# Altium PCB 通用工装板.PcbDoc (part 6 of 10)
Units mil, origin at the board's own origin, x right, y up, seen from the top; angles counter-clockwise.
Board outline 5905.51 x 3937.01 mil, 4 copper layers (L1, L2, L3, L4), stack 30.634 mil thick; 601 components, 576 nets, 2543 pads, 2986 vias.
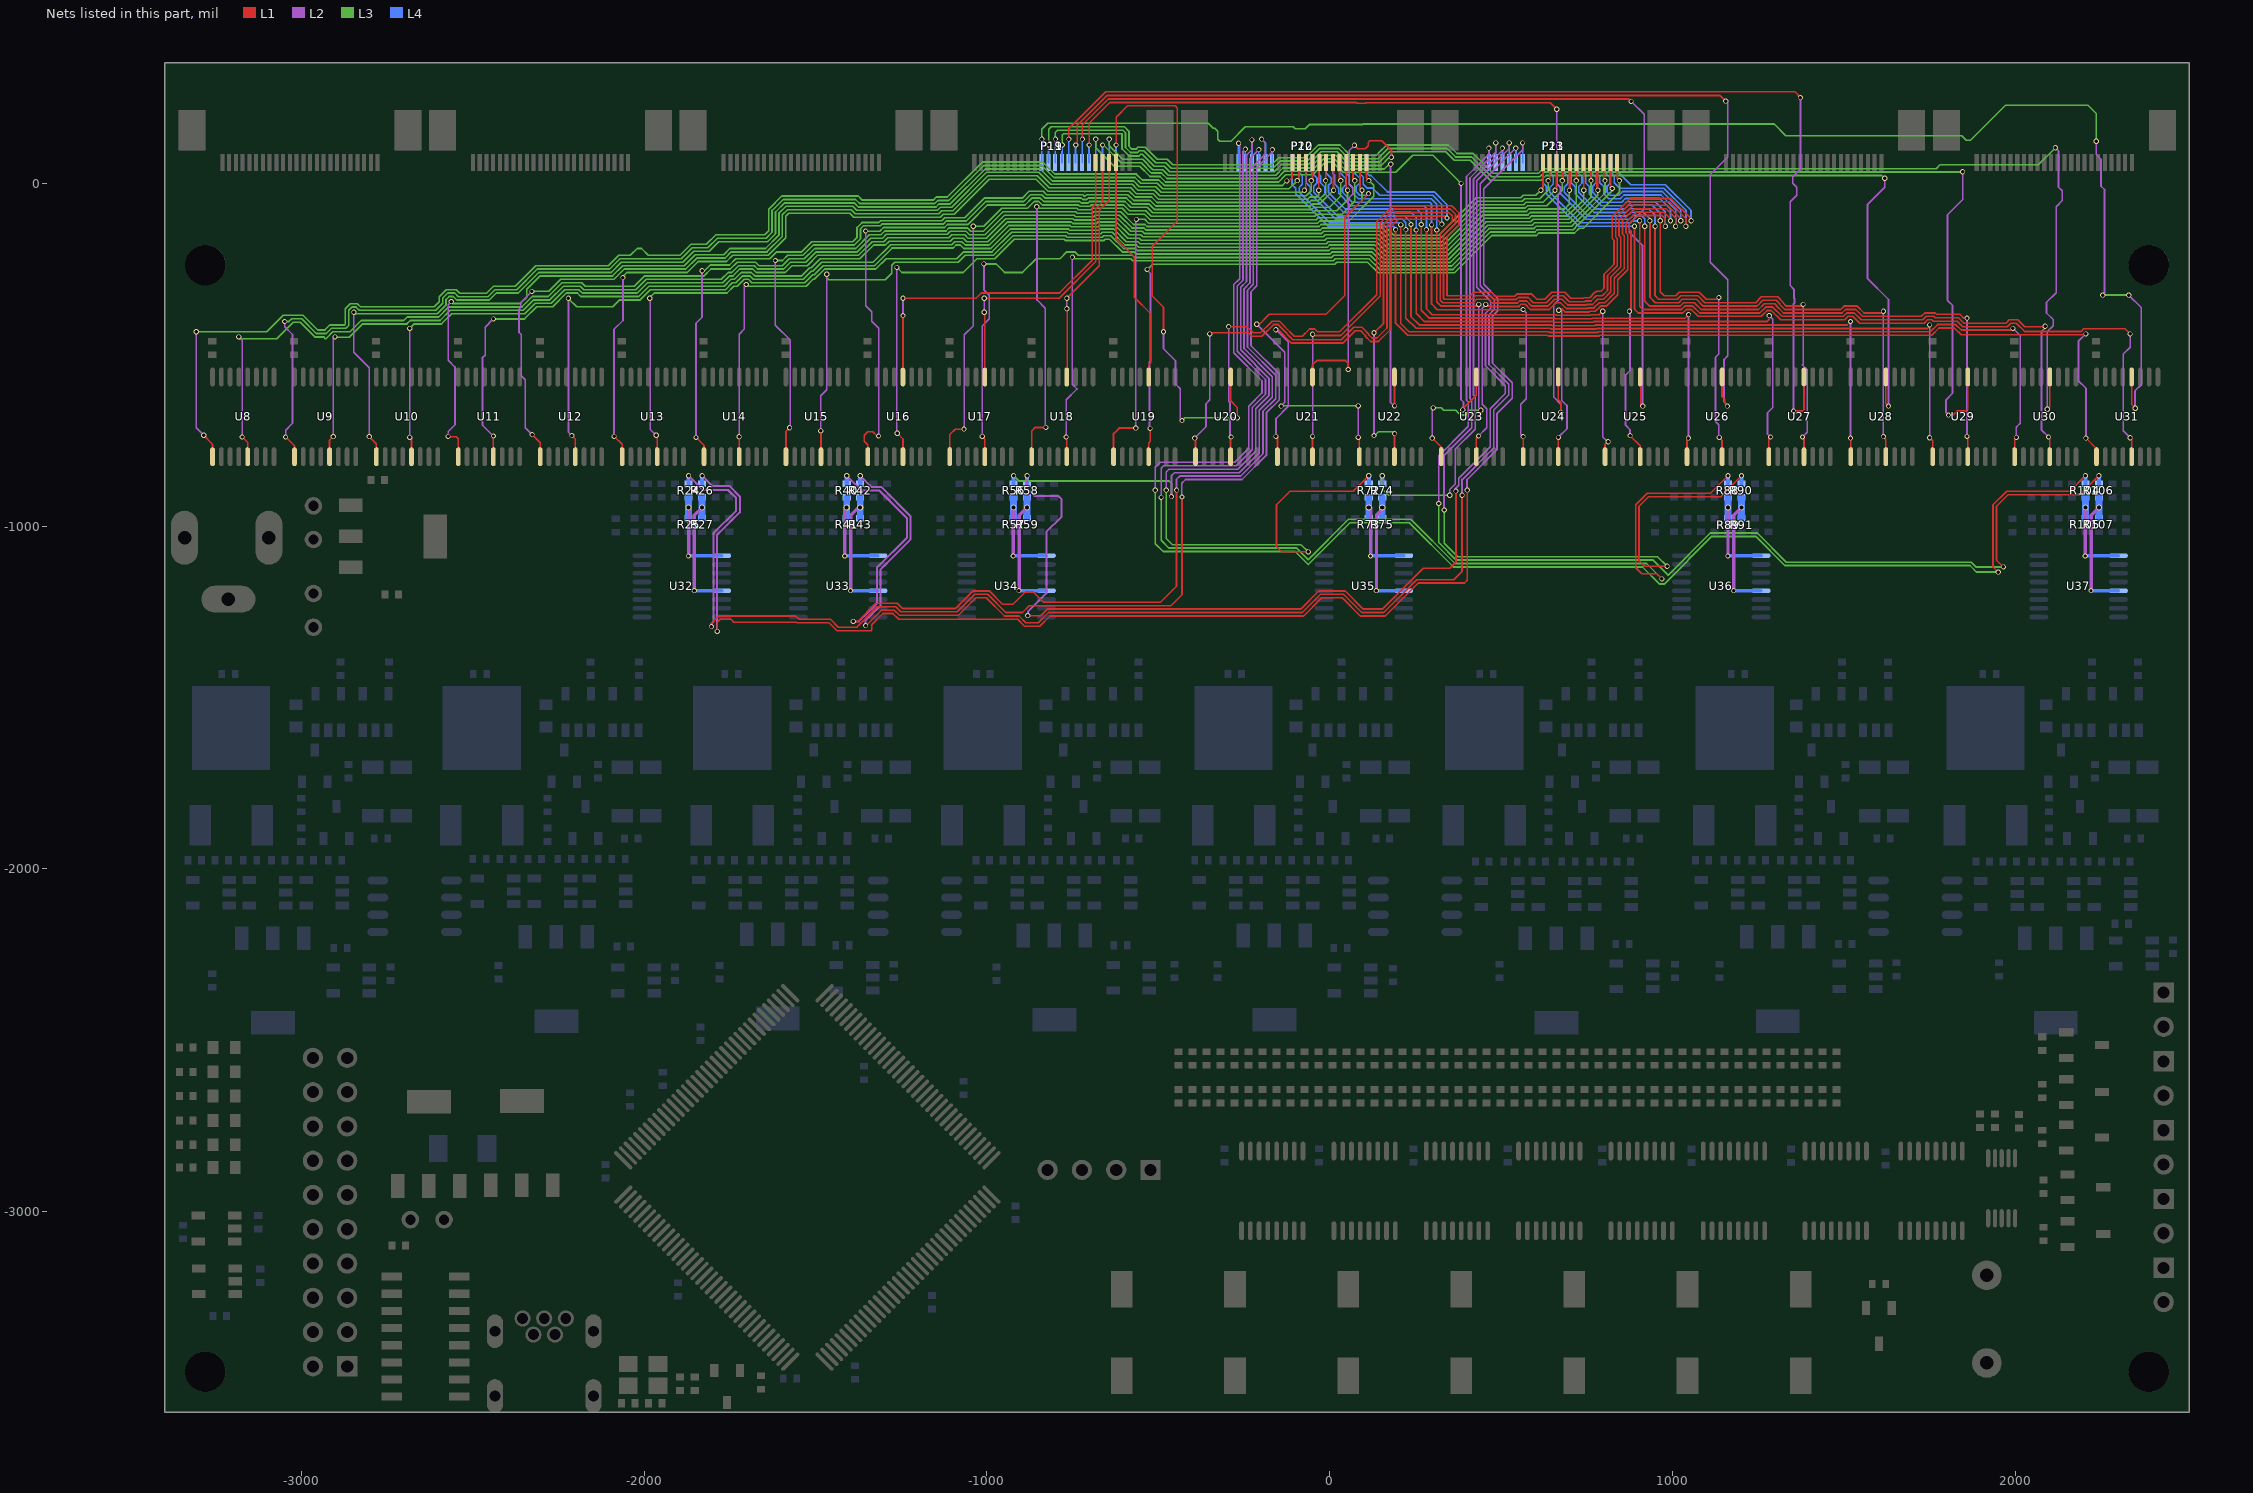
[diagram p8: the nets of this part, all layers, seen from the top]

## Via types
v1: diameter 15, hole 10, L1 to L4, tented both sides, 1853 vias
v2: diameter 18, hole 12, L1 to L4, tented both sides, 1133 vias

## Nets (pads, with @x,y where several pads share a name; then routed paths per layer and width w, separated by ;. In a path a pad name is that pad's centre, name@x,y a point inside that pad or via, vN(x,y) a via of type N, cw(c..) or ccw(c..) an arc to the next point about the centre after c; other vN are vias at no path point) (continued)
M3_GPIO8: P11.19 U16.12 | length 1116.8
  L1 w5: U16.12@-1245,-564.8 v1(-1245,-386) ; v1(-1245,-335) -1032,-335 -1017,-320 -788.72,-320 -692.56,-223.83 -692.56,-69.69 -682.87,-60 P11.19@-682.87,60.67
  L2 w5: v1(-1245,-386) v1(-1245,-335)
M3_GPIO9: P11.20 U17.12 | length 897.2
  L1 w5: v1(-1008,-376) -1006.23,-377.77 U17.12@-1006.23,-564.98 ; v1(-1008,-335) -789.58,-335 -682.56,-227.97 -682.56,-73.83 -663.19,-54.46 P11.20@-663.19,60.67
  L2 w5: v1(-1008,-376) v1(-1008,-335)
M3_GPIO10: P11.21 U18.12 | length 678
  L1 w5: v1(-767,-366) -766,-365 U18.12@-766,-563.72 ; v1(-767,-335) -672.56,-240.56 -672.56,-77.97 -643.5,-48.91 P11.21@-643.5,60.67
  L2 w5: v1(-767,-366) v1(-767,-335)
M3_GPIO11: P11.22 U19.12 | length 669.6
  L1 w5: P11.22@-623.82,60.67 -623.82,-161.18 -570,-215 -570,-332.76 -523,-379.76 -523,-525 -528.31,-530.31 U19.12@-528.31,-564.98
M3_GPIO12: P19.3 U20.12 | length 1595.5
  L1 w5: v1(-623.15,112) -623.15,192.85 -590,226 -451,226 -445,220 -445,-110 -518,-183 -518,-328.55 -485,-361.55 v1(-485,-433) ; U20.12@-289.35,-564.98 -289.35,-634.65 -270,-654 v1(-270,-684)
  L2 w5: v1(-485,-433) -485,-482.54 -450.27,-517.27 -450.27,-585.14 -436.54,-598.87 -436.54,-686.46 v1(-431,-692)
  L3 w5: v1(-431,-692) -423,-684 v1(-270,-684)
  L4 w5: P19.3@-623.81,60.67 v1@-623.81,111.34
M3_GPIO13: P19.4 U21.12 | length 1987.6
  L1 w5: U21.12@-50.39,-564.98 -50.39,-529.39 -38,-517 46,-517 54,-525 v1(54,-543) ; v1(72,111) 82,101 103.21,101 112,109.79 112,119 117,124 152,124 179.85,96.15 v1(179.85,76)
  L2 w5: v1(54,-543) 54,-44 67,-31 67,-13 57,-3 57,96 v1(72,111)
  L3 w5: v1(-643.15,129) -643.15,109.37 -603.78,70 -545.99,70 -515.99,40 -486.81,40 -470.81,24 -157.5,24 -136.5,45 -58.22,45 -21.22,82 17.22,82 47.22,52 150,52 174,76 v1(179.85,76)
  L4 w5: P19.4@-643.5,60.67 -643.5,128.65 v1(-643.15,129)
M3_GPIO14: P19.5 U22.12 | length 1770.7
  L1 w5: U22.12@188.57,-564.98 188.57,-648.57 v1(189,-649)
  L2 w5: v1(178,56) 177,55 177,-429 177,-639 187,-649 v1(189,-649)
  L3 w5: v1(-662.52,112) -659.92,112 -607.92,60 -550.14,60 -520.14,30 -490.96,30 -474.96,14 -153.36,14 -132.36,35 -54.08,35 -17.08,72 13.08,72 43.08,42 159,42 173,56 v1(178,56)
  L4 w5: P19.5@-663.18,60.67 -663.18,111.34 v1(-662.52,112)
M3_GPIO15: P19.6 U23.12 | length 2068.9
  L1 w5: v1(388,-661) 388,-658 427.53,-618.47 U23.12@427.53,-564.98
  L2 w5: v1(383,0) 383,-630.79 390,-637.79 390,-659 v1(388,-661)
  L3 w5: v1(-682.52,129) -682.52,103.52 -629,50 -554.28,50 -524.28,20 -495.1,20 -479.1,4 -149.21,4 -128.21,25 -49.94,25 -12.94,62 8.94,62 38.94,32 192,32 242,82 301,82 v1(383,0)
  L4 w5: P19.6@-682.87,60.67 -682.87,128.65 v1(-682.52,129)
M3_I2C_SCL: P19.14 U31.12 | length 4379.3
  L1 w5: U31.12@2339.2,-564.98 2339.2,-645.2 v1(2350,-656)
  L2 w5: v1(2236,123) 2236,84 2250,70 2250,-8 2260,-18 2260,-321 v1(2255,-326) ; v1(2331,-326) 2367,-362 2367,-587 2349,-605 2349,-655 v1(2350,-656)
  L3 w5: v1(-840,129) -840,158 -823,175 -354.21,175 -340.21,161 -335.79,161 -327,152.21 -327,129 -321,123 -288.08,123 -246.08,165 -106.5,165 -100.5,159 -71.5,159 -58.5,172 95.5,172 96.5,173 1296.28,173 1330.28,139 1843.79,139 1856.79,126 1869.21,126 1971.21,228 2212,228 2236,204 v1(2236,123) ; v1(2255,-326) v1(2331,-326)
  L4 w5: P19.14@-840.35,60.67 -840.35,128.65 v1(-840,129)
M3_I2C_SDA: P19.13 U30.12 | length 4129.5
  L1 w5: v1(2093,-659) 2100.24,-651.76 U30.12@2100.24,-564.98
  L2 w5: v1(2093,-659) 2093,-432.21 2110.21,-415 2110.21,-397.21 2091,-378 2091,-347 2119,-319 2119,-68 2137,-50 2137,-22 2126,-11 2126,95 v1(2117,104)
  L3 w5: v1(-820,112) -820,158 -813,165 -599,165 -586,152 -586,108.79 -577.21,100 -564.79,100 -559.79,105 -538.57,105 -503.57,70 -474.39,70 -458.39,54 -169.92,54 -148.92,75 -70.65,75 -33.65,112 29.65,112 59.65,82 136.36,82 144.85,90.5 166.36,112 346.22,112 371.22,87 418.5,87 476.19,29.3 608.81,29.3 622.5,43 1769,43 1780,54 2067,54 v1(2117,104)
  L4 w5: P19.13@-820.66,60.67 -820.66,111.34 v1(-820,112)
M3_SPI_CLK: P19.11 U28.12 | length 3448.8
  L1 w5: U28.12@1622.33,-564.98 1622.33,-642.33 v1(1630,-650)
  L2 w5: v1(1619,15) 1619,-11.14 1569,-61.14 1569,-278 1630,-339 v1(1630,-650)
  L3 w5: v1(-780.63,112) -780.63,141.37 -777,145 -607.28,145 -606,143.72 -606,100.5 -585.5,80 -556.5,80 -551.5,85 -546.85,85 -511.85,50 -482.67,50 -466.67,34 -161.64,34 -140.64,55 -62.37,55 -25.37,92 21.37,92 51.37,62 144.64,62 164.85,82.21 174.64,92 337.93,92 362.93,67 410.21,67 467.91,9.3 617.09,9.3 630.79,23 1610,23 1618,15 v1(1619,15)
  L4 w5: P19.11@-781.29,60.67 -781.29,111.34 v1(-780.63,112)
M3_SPI_CS: P19.12 U29.12 | length 3804.5
  L1 w5: v1(1805,-676) 1806,-675 1818.79,-675 1829.79,-664 1856,-664 1861.28,-658.72 U29.12@1861.28,-564.98
  L2 w5: v1(1805,-676) 1798,-669 1798,-631 1816.61,-612.39 1816.61,-355.39 1803.21,-342 1802.72,-342 1802,-341.28 1802,-91.72 1846.72,-47 v1@1846.72,34
  L3 w5: v1(-800.63,129) -800.63,148.37 -794,155 -603.14,155 -596,147.86 -596,104.64 -581.36,90 -560.64,90 -555.64,95 -542.71,95 -507.71,60 -478.53,60 -462.53,44 -165.78,44 -144.78,65 -66.51,65 -29.51,102 25.51,102 55.51,72 140.5,72 154.85,86.35 170.5,102 342.08,102 367.08,77 414.36,77 472.05,19.3 612.95,19.3 626.64,33 1845,33 v1(1846,34)
  L4 w5: P19.12@-800.98,60.67 -800.98,128.65 v1(-800.63,129)
M3_SPI_MISO: P19.9 U26.12 | length 3082.2
  L1 w5: v1(-741.26,112) -736.89,116.37 -736.89,169.39 -650.28,256 1139.21,256 v1(1155.21,240) ; U26.12@1144.41,-564.98 1144.41,-622.41 1152,-630 1152,-639.79 1160,-647.79 v1(1160,-650.02)
  L2 w5: v1(1155.21,240) 1156.21,239 1157,239 1161,235 1161,76.86 1110,25.86 1110,-229.86 1161,-280.86 1161,-503.14 1150,-514.14 1150,-637 1160,-647 v1(1160,-650.02)
  L3 w5: v1(1160,-650.02) v1@1161.02,-649
  L4 w5: P19.9@-741.92,60.67 -741.92,111.34 v1(-741.26,112)
M3_SPI_MOSI: P19.10 U27.12 | length 3354.2
  L1 w5: v1(-761.26,129) -761.26,159.17 -653.43,267 1357,267 1373,251 v1(1373,250) ; v1(1353,-664) 1379,-664 1383.37,-659.63 U27.12@1383.37,-564.98
  L2 w5: v1(1353,-664) 1353,-352.21 1356,-349.21 1356,-336.79 1354,-334.79 1354,-309 1343,-298 1343,-54 1362,-35 1362,-11 1351,0 1351,19 1373,41 v1(1373,250)
  L4 w5: P19.10@-761.61,60.67 -761.61,128.65 v1(-761.26,129)
M3_UART_RX: P19.8 U25.12 | length 2764.8
  L1 w5: v1(-721.89,129) -721.89,170.25 -646.14,246 872.21,246 v1(879.21,239) ; U25.12@905.45,-564.98 908,-567.54 v1@908,-645
  L2 w5: v1(879.21,239) 917,201.21 917,-74.79 874,-117.79 874,-142.86 912,-180.86 912,-649 v1(913,-650)
  L4 w5: P19.8@-722.24,60.67 -722.24,128.65 v1(-721.89,129)
M3_UART_TX: P19.7 U24.12 | length 2524.4
  L1 w5: v1(-701.89,112) -701.89,176.11 -642,236 78.36,236 80.36,234 105,234 106,235 643,235 v1(662,216) ; U24.12@666.49,-564.98 666.49,-631.49 674,-639 v1(674,-668)
  L2 w5: v1(662,216) 662,-1 672,-11 672,-29 666,-35 666,-341.43 653,-354.43 653,-623.36 674,-644.36 v1(674,-668)
  L4 w5: P19.7@-702.55,60.67 -702.55,111.34 v1(-701.89,112)
M4_ADC1: P20.17 R24.1 | length 3717.9
  L1 w5: v1(-1804,-1293) -1804,-1283.86 -1782.14,-1262 -1558,-1262 -1548,-1272 -1456.57,-1272 -1433.57,-1295 -1380.21,-1295 -1320.21,-1235 -1266.22,-1235 -1251.22,-1250 -1087.14,-1250 -1036.14,-1199 -997.86,-1199 -944.86,-1252 -896.57,-1252 -876.57,-1232 -463,-1232 -431,-1200 v1(-431,-915)
  L2 w5: v1(-431,-915) -432,-914 -432,-875 -421,-864 -256.15,-864 -184.85,-792.71 -184.85,-669.29 -147.58,-632.01 -147.58,-555.71 -230,-473.29 -230,-315.85 -213,-298.85 -213,45.86 -167.34,91.52 v1(-167.34,98.33)
  L2 w6: v1(-1870.48,-853.04) -1829.02,-894.5 -1755.52,-894.5 -1732,-918.02 -1732,-955 -1798,-1021 -1798,-1279 -1804,-1285 v1(-1804,-1293)
  L4 w5: P20.17@-168,47 v1@-168,97.67
  L4 w12: R24.1@-1870.48,-876.34 v1(-1870.48,-853.04)
M4_ADC2: P20.18 R40.1 | length 3356.2
  L1 w5: v1(-1390,-1278) -1377.36,-1278 -1324.36,-1225 -1262.08,-1225 -1247.08,-1240 -1091.28,-1240 -1040.28,-1189 -993.72,-1189 -954.79,-1227.93 -923.93,-1227.93 -888,-1192 -865,-1192 -835,-1222 -494,-1222 -447,-1175 v1(-447,-895)
  L2 w5: v1(-1390,-1278) -1373.56,-1278 -1357.78,-1262.22 ; v1(-447,-895) -447,-863 -438,-854 -260.29,-854 -194.85,-788.56 -194.85,-665.15 -157.58,-627.87 -157.58,-559.86 -240,-477.43 -240,-311.71 -223,-294.71 -223,50 -188,85 -188,118 v1(-199,129)
  L2 w6: v1(-1409.2,-853.04) -1365.72,-896.52 -1313.44,-896.52 -1233.5,-976.46 -1233.5,-1033.54 -1321.5,-1121.54 -1321.5,-1225.94 -1357.78,-1262.22
  L4 w5: v1(-199,129) -187.69,117.68 P20.18@-187.69,47
  L4 w12: R40.1@-1409.26,-876.34 v1(-1409.2,-853.04)
M4_ADC3: P20.19 R56.1 | length 1879.1
  L2 w5: v1(-462,-914) -462,-853 -453,-844 -264.43,-844 -206,-785.57 -206,-662.15 -167.58,-623.73 -167.58,-564 -250,-481.57 -250,-307.57 -233,-290.57 -233,72.04 v1(-206.71,98.33)
  L3 w5: v1(-922.2,-853.04) -907.2,-868.04 -468.96,-868.04 -462,-875 v1(-462,-914)
  L4 w5: P20.19@-207.37,47 v1@-207.37,97.67
  L4 w12: R56.1@-922.26,-876.34 v1(-922.2,-853.04)
M4_ADC4: P20.20 R72.1 | length 2511.6
  L1 w5: v1(-63,-1075) -141,-1075 -155.55,-1060.45 -155.55,-937.57 -116.02,-898.04 68.87,-898.04 v1(113.87,-853.04)
  L2 w5: v1(-477,-895) -477,-842 -469,-834 -268.57,-834 -216,-781.43 -216,-658.01 -177.58,-619.58 -177.58,-568.14 -260,-485.72 -260,-303.43 -243,-286.43 -243,81.79 -227,97.79 v1(-227,127)
  L3 w5: v1(-477,-895) -477,-1036 -459,-1054 -84,-1054 v1(-63,-1075)
  L4 w5: P20.20@-227.06,47 v1(-227,127) v1(-227,127)
  L4 w12: R72.1@113.87,-876.34 v1(113.87,-853.04)
M4_ADC5: P20.21 R88.1 | length 3693.9
  L1 w5: v1(969,-1154) 954,-1139 910,-1139 892.28,-1121.28 892.28,-937.57 925.85,-904 1110.74,-904 v1(1161.7,-853.04)
  L2 w5: v1(-492,-916) -492,-831 -485,-824 -272.72,-824 -226,-777.28 -226,-653.87 -187.58,-615.44 -187.58,-572.28 -270,-489.86 -270,-299.28 -253,-282.28 -253,94 -252,94 v1(-246,100)
  L3 w5: v1(-492,-916) -492,-1041 -469,-1064 -96.86,-1064 -63.07,-1097.79 54.72,-980 236.28,-980 365.28,-1109 924,-1109 v1(969,-1154)
  L4 w5: P20.21@-246.74,47 v1@-246.74,97.67
  L4 w12: R88.1@1161.64,-876.34 v1(1161.7,-853.04)
M4_ADC6: P20.22 R104.1 | length 4775.1
  L1 w5: v1(1950,-1134) 1935,-1119 1935,-937.57 1974.53,-898.04 2159.42,-898.04 v1(2204.42,-853.04)
  L2 w5: v1(-509,-895) -509,-828 -495,-814 -276.86,-814 -236,-773.14 -236,-649.72 -197.58,-611.3 -197.58,-576.42 -280,-494 -280,-295.14 -263,-278.14 -263,114 v1(-266,117)
  L3 w5: v1(-509,-895) -509,-1051 -486,-1074 -101,-1074 -63.07,-1111.93 58.86,-990 232.14,-990 361.14,-1119 912.14,-1119 962.14,-1169 975.43,-1169 1114.43,-1030 1242.57,-1030 1327.57,-1115 1867.57,-1115 1886.57,-1134 v1(1950,-1134)
  L4 w5: P20.22@-266.43,47 v1@-266.43,114.98
  L4 w12: R104.1@2204.36,-876.34 v1(2204.42,-853.04)
M4_FADC1: R24.2 R25.1 U32.1 | length 299.6
  L2 w10: v1@-1870.52,-1086.52 v2(-1870.52,-946)
  L3 w10: v1(-1871,-1087) v1@-1870.52,-1086.52
  L4 w10: v1(-1871,-1087) -1869.98,-1085.98 U32.1@-1773.98,-1085.98
  L4 w20: R25.1@-1870.48,-976.69 R24.2@-1870.48,-915.71
M4_FADC2: R40.2 R41.1 U33.1 | length 298.2
  L2 w10: v1@-1414.61,-1086.52 v2@-1414.61,-946
  L3 w10: v1(-1415.09,-1087) v1@-1414.61,-1086.52
  L4 w10: v1@-1414.08,-1085.98 U33.1@-1318.08,-1085.98
  L4 w20: R41.1@-1409.26,-976.73 R40.2@-1409.26,-915.71
  other v2: -1409.3,-946
M4_FADC3: R56.2 R57.1 U34.1 | length 298.2
  L2 w10: v1@-923.28,-1086.52 v2@-923.28,-946
  L3 w10: v1(-923.76,-1087) v1@-923.28,-1086.52
  L4 w10: v1@-922.74,-1085.98 U34.1@-826.74,-1085.98
  L4 w20: R57.1@-922.32,-976.69 R56.2@-922.32,-915.71
  other v2: -922.35,-946
M4_FADC4: R72.2 R73.1 U35.1 | length 298.2
  L2 w10: v1@119.24,-1086.52 v2@119.24,-946
  L3 w10: v1(118.76,-1087) v1@119.24,-1086.52
  L4 w10: v1@119.78,-1085.98 U35.1@215.78,-1085.98
  L4 w20: R73.1@113.81,-976.73 R72.2@113.81,-915.71
  other v2: 113.77,-946
M4_FADC5: R88.2 R89.1 U36.1 | length 298.2
  L2 w10: v1@1161.76,-1086.52 v2@1161.76,-946
  L3 w10: v1(1161.28,-1087) v1@1161.76,-1086.52
  L4 w10: v1@1162.3,-1085.98 U36.1@1258.3,-1085.98
  L4 w20: R89.1@1161.64,-976.69 R88.2@1161.64,-915.71
  other v2: 1161.6,-946
M4_FADC6: R104.2 R105.1 U37.1 | length 298.2
  L2 w10: v1@2204.28,-1086.52 v2(2204.32,-946)
  L3 w10: v1(2203.8,-1087) v1@2204.28,-1086.52
  L4 w10: v1@2204.82,-1085.98 U37.1@2300.82,-1085.98
  L4 w20: R105.1@2204.36,-976.73 R104.2@2204.36,-915.71
M4_GPIO0: P12.11 U8.1 | length 4018.7
  L1 w5: v1(-3285,-735) -3259.22,-760.78 U8.1@-3259.22,-797.27 ; v1(-125,7) -119,7 -109.19,16.81 P12.11@-109.19,60.67
  L2 w5: v1(-3307,-433) -3307,-713 v1(-3285,-735)
  L3 w5: v1(-3307,-433) -3101,-433 -3053,-385 -2995.36,-385 -2952.36,-428 -2931.5,-428 -2916.5,-413 -2874.57,-413 -2872,-410.43 -2872,-365.64 -2857.36,-351 -2836.64,-351 -2827.64,-360 -2612.14,-360 -2598,-345.86 -2598,-330.5 -2577.5,-310 -2548.5,-310 -2538.07,-320.43 -2459.93,-320.43 -2439.5,-300 -2376.14,-300 -2316.14,-240 -2104.78,-240 -2074.78,-210 -2040.21,-210 -2020.21,-190 -2007.79,-190 -1987.79,-210 -1895.56,-210 -1863.56,-178 -1818.5,-178 -1790.5,-150 -1648.56,-150 -1637,-138.44 -1637,-75.29 -1598.71,-37 -1376,-37 -1364.21,-48.79 -1156.99,-48.79 -1148.2,-40 -1115.71,-40 -1013.71,62 -836.51,62 -801.51,27 -564.09,27 -547.09,10 -499.24,10 -483.24,-6 -138,-6 v1(-125,7)
M4_GPIO1: P12.12 U9.1 | length 3792
  L1 w5: v1(-3046,-740) -3020.26,-765.74 U9.1@-3020.26,-797.27 ; v1(-95,8) -89.51,13.49 P12.12@-89.51,60.67
  L2 w5: v1(-3049,-403) -3049,-418 -3026,-441 -3026,-700 -3046,-720 v1(-3046,-740)
  L3 w5: v1(-3049,-403) -3036.5,-403 -3028.5,-395 -2999.5,-395 -2956.5,-438 -2927.36,-438 -2912.36,-423 -2870.43,-423 -2862,-414.57 -2862,-369.79 -2853.21,-361 -2840.79,-361 -2831.79,-370 -2607.99,-370 -2588,-350.01 -2588,-334.64 -2573.36,-320 -2552.64,-320 -2542.21,-330.43 -2455.79,-330.43 -2435.36,-310 -2371.99,-310 -2311.99,-250 -2100.64,-250 -2070.64,-220 -1891.42,-220 -1859.42,-188 -1814.36,-188 -1786.36,-160 -1644.42,-160 -1627,-142.58 -1627,-79.43 -1594.57,-47 -1383.43,-47 -1371.64,-58.79 -1152.85,-58.79 -1144.06,-50 -1111.57,-50 -1009.57,52 -840.65,52 -805.65,17 -568.23,17 -551.23,0 -503.38,0 -487.38,-16 -119,-16 v1(-95,8)
M4_GPIO2: P12.13 U10.1 | length 3575.4
  L1 w5: v1(-2802,-739) -2781.3,-759.7 U10.1@-2781.3,-797.27 ; v1(-74,-20) -69.82,-15.82 P12.13@-69.82,60.67
  L2 w5: v1(-2847,-376) -2847,-493 -2802,-538 v1(-2802,-739)
  L3 w5: v1(-2847,-376) -2843,-380 -2603.85,-380 -2578,-354.15 -2578,-338.79 -2569.21,-330 -2556.79,-330 -2546.35,-340.43 -2451.65,-340.43 -2431.21,-320 -2367.85,-320 -2307.85,-260 -2096.5,-260 -2066.5,-230 -1887.28,-230 -1855.28,-198 -1810.21,-198 -1782.21,-170 -1640.27,-170 -1617,-146.73 -1617,-83.57 -1590.43,-57 -1387.57,-57 -1375.79,-68.79 -1148.71,-68.79 -1139.92,-60 -1107.43,-60 -1005.43,42 -844.79,42 -809.79,7 -572.37,7 -555.37,-10 -507.52,-10 -491.52,-26 -80,-26 v1(-74,-20)
M4_GPIO3: P12.14 U11.1 | length 3364.2
  L1 w5: v1@-2572,-731 v1(-2572,-738) -2571,-739 -2548,-739 -2542.34,-744.66 U11.1@-2542.34,-797.27 ; v1(-54,8) -50.14,11.86 P12.14@-50.14,60.67 P12.14@-54,56.81
  L2 w5: v1(-2572,-738) -2572,-724 -2552,-704 -2552,-536 -2572,-516 -2572,-354 v1(-2563,-345)
  L3 w5: v1(-2563,-345) -2563.36,-345 -2564.36,-344 -2565.36,-345 -2559.92,-350.43 -2360.78,-350.43 -2342.5,-332.15 -2342.5,-308.79 -2303.71,-270 -2092.36,-270 -2062.36,-240 -1883.14,-240 -1851.14,-208 -1768.28,-208 -1750.28,-190 -1646.13,-190 -1607,-150.87 -1607,-87.72 -1586.28,-67 -1391.72,-67 -1379.93,-78.79 -1144.56,-78.79 -1135.78,-70 -1103.28,-70 -1001.28,32 -848.93,32 -813.93,-3 -576.51,-3 -559.51,-20 -511.67,-20 -495.67,-36 -68.79,-36 -54,-21.21 v1(-54,8)
M4_GPIO4: P12.15 U12.1 | length 3134.4
  L1 w5: v1(-2327,-733) -2303.38,-756.62 U12.1@-2303.38,-797.27 ; v1(-32,-20) -32,58.22 -30,60.22 P12.15@-30.45,60.67
  L2 w5: v1(-2327.5,-315) -2360,-347.5 -2360,-361.92 -2365,-366.92 -2365,-435.08 -2359,-441.08 -2359,-561 -2347,-573 -2347,-713 v1(-2327,-733)
  L3 w5: v1(-2327.5,-315) -2278.78,-315 -2243.78,-280 -2088.21,-280 -2058.21,-250 -1878.99,-250 -1846.99,-218 -1764.14,-218 -1746.14,-200 -1641.99,-200 -1597,-155.01 -1597,-91.86 -1582.14,-77 -1395.86,-77 -1384.07,-88.79 -1140.42,-88.79 -1131.63,-80 -1099.14,-80 -997.14,22 -853.08,22 -818.08,-13 -580.66,-13 -563.66,-30 -515.81,-30 -499.81,-46 -64.64,-46 -58.64,-40 -37.28,-40 -32,-34.72 v1(-32,-20)
M4_GPIO5: P12.16 U13.1 | length 2892.5
  L1 w5: v1(-2088,-738) -2064.42,-761.58 U13.1@-2064.42,-797.27 ; v1(-12,8) -12,59.44 P12.16@-10.77,60.67
  L2 w5: v1(-2088,-738) -2088,-426 -2062,-400 v1(-2062,-275)
  L3 w5: v1(-2062,-275) -2062,-273 -2063,-272 -2051,-260 -1874.85,-260 -1842.85,-228 -1760,-228 -1742,-210 -1637.85,-210 -1587,-159.15 -1587,-96 -1578,-87 -1400,-87 -1388.21,-98.79 -1136.28,-98.79 -1127.49,-90 -1095,-90 -993,12 -857.22,12 -822.22,-23 -716.71,-23 -714.96,-24.75 -713.2,-23 -584.8,-23 -567.8,-40 -519.95,-40 -503.95,-56 -60.5,-56 -54.5,-50 -33.14,-50 -12,-28.86 v1(-12,8)
M4_GPIO6: P12.17 U14.1 | length 2638.1
  L1 w5: v1(-1849,-741) -1825.47,-764.53 U14.1@-1825.47,-797.27 ; v1(-1831.21,-255) v1@-1830,-253.79 ; P12.17@8.92,60.67 11,58.59 v1(11,-20)
  L2 w5: v1(-1849,-741) -1849,-408 -1831.21,-390.21 v1(-1831.21,-255)
  L3 w5: v1(-1831.21,-255) -1824.14,-255 -1807.14,-238 -1751.22,-238 -1733.22,-220 -1633.71,-220 -1613.7,-200 -1540.92,-200 -1510.92,-170 -1391.42,-170 -1379,-157.58 -1379,-128.64 -1364.36,-114 -1315.49,-114 -1310.28,-108.79 -1132.14,-108.79 -1123.35,-100 -1064.5,-100 -1007.5,-43 -897.28,-43 -877.28,-23 -836.36,-23 -826.36,-33 -720.85,-33 -716.85,-37 -713.06,-37 -709.06,-33 -588.94,-33 -571.94,-50 -524.09,-50 -508.09,-66 -56.36,-66 -50.36,-60 -29,-60 v1(11,-20)
M4_GPIO7: P12.18 U15.1 | length 2477.8
  L1 w5: U15.1@-1586.51,-797.27 -1586.51,-723.51 v1(-1576,-713) ; P12.18@28.6,60.67 28.6,11.4 v1(32,8)
  L2 w5: v1(-1617.49,-225) -1617.49,-413.51 -1574,-457 -1574,-711 v1(-1576,-713)
  L3 w5: v1(-1617.49,-225) -1596.43,-225 -1581.43,-210 -1536.78,-210 -1506.78,-180 -1387.27,-180 -1369,-161.73 -1369,-132.79 -1360.21,-124 -1311.35,-124 -1306.14,-118.79 -1127.99,-118.79 -1119.21,-110 -1060.36,-110 -1003.36,-53 -893.14,-53 -873.14,-33 -840.5,-33 -830.5,-43 -724.99,-43 -720.99,-47 -708.92,-47 -704.92,-43 -593.08,-43 -576.08,-60 -528.23,-60 -512.23,-76 -52.22,-76 -46.22,-70 -1,-70 32,-37 v1(32,8)
M4_GPIO8: P12.19 U16.1 | length 2325.3
  L1 w5: U16.1@-1347.55,-797.27 -1347.55,-762.45 -1358,-752 -1358,-735 -1348,-725 -1332.79,-725 -1320.79,-737 v1(-1316,-737) ; P12.19@48.29,60.67 48.29,-16.29 v1(52,-20)
  L2 w5: v1(-1354,-139) -1354,-357 -1336,-375 -1336,-402.21 -1316,-422.21 v1(-1316,-737)
  L3 w5: v1(-1354,-139) -1353,-140 -1313.21,-140 -1301.99,-128.79 -1123.85,-128.79 -1115.07,-120 -1055.86,-120 -1055,-119.14 -1055,-118.79 -999.21,-63 -889,-63 -869,-43 -844.64,-43 -834.64,-53 -729.14,-53 -725.14,-57 -704.78,-57 -700.78,-53 -597.22,-53 -580.22,-70 -532.38,-70 -516.38,-86 -48.08,-86 -42.08,-80 20,-80 52,-48 v1(52,-20)
M4_GPIO9: P12.20 U17.1 | length 2013.8
  L1 w5: U17.1@-1108.59,-797.27 -1108.59,-732.59 -1093,-717 v1(-1067,-717) ; P12.20@67.97,60.67 67.97,13.03 v1(73,8)
  L2 w5: v1(-1067,-717) -1066,-717 -1066,-442 -1040,-416 v1(-1040,-125)
  L3 w5: v1(-1040,-125) -1009.28,-125 -957.28,-73 -882,-73 -862,-53 -848.79,-53 -838.79,-63 -733.28,-63 -729.28,-67 -700.63,-67 -696.63,-63 -601.37,-63 -584.37,-80 -536.52,-80 -520.52,-96 -43.93,-96 -37.93,-90 35.64,-90 73,-52.64 v1(73,8)
M4_GPIO10: P12.21 U18.1 | length 1881.5
  L1 w5: U18.1@-869.63,-797.27 -869.63,-722.63 -859,-712 v1(-828,-712) ; P12.21@87.66,60.67 88,60.33 88,-14 v1@93.94,-19.94
  L2 w5: v1(-855,-68) -854,-69 -854,-340 -830,-364 -830,-710 v1(-828,-712)
  L3 w5: v1(-855,-68) -855,-70 -852,-73 -737.42,-73 -733.42,-77 -696.49,-77 -692.49,-73 -605.51,-73 -588.51,-90 -540.66,-90 -524.66,-106 -39.79,-106 -33.79,-100 44,-100 94,-50 v1(94,-20)
M4_GPIO11: P12.22 U19.1 | length 1584.5
  L1 w5: U19.1@-630.67,-797.27 -630.67,-730 -614.67,-714 v1(-566,-714) ; P12.22@107.34,60.67 107.34,14.66 v1(114,8)